# Altium PCB GSH_Bed_V1.0.PcbDoc
Units mil, origin at the board's own origin, x right, y up, seen from the top; angles counter-clockwise.
Board outline 3208.66 x 1476.38 mil, 2 copper layers (Top Layer, Bottom Layer); 65 components, 49 nets, 253 pads, 410 vias.
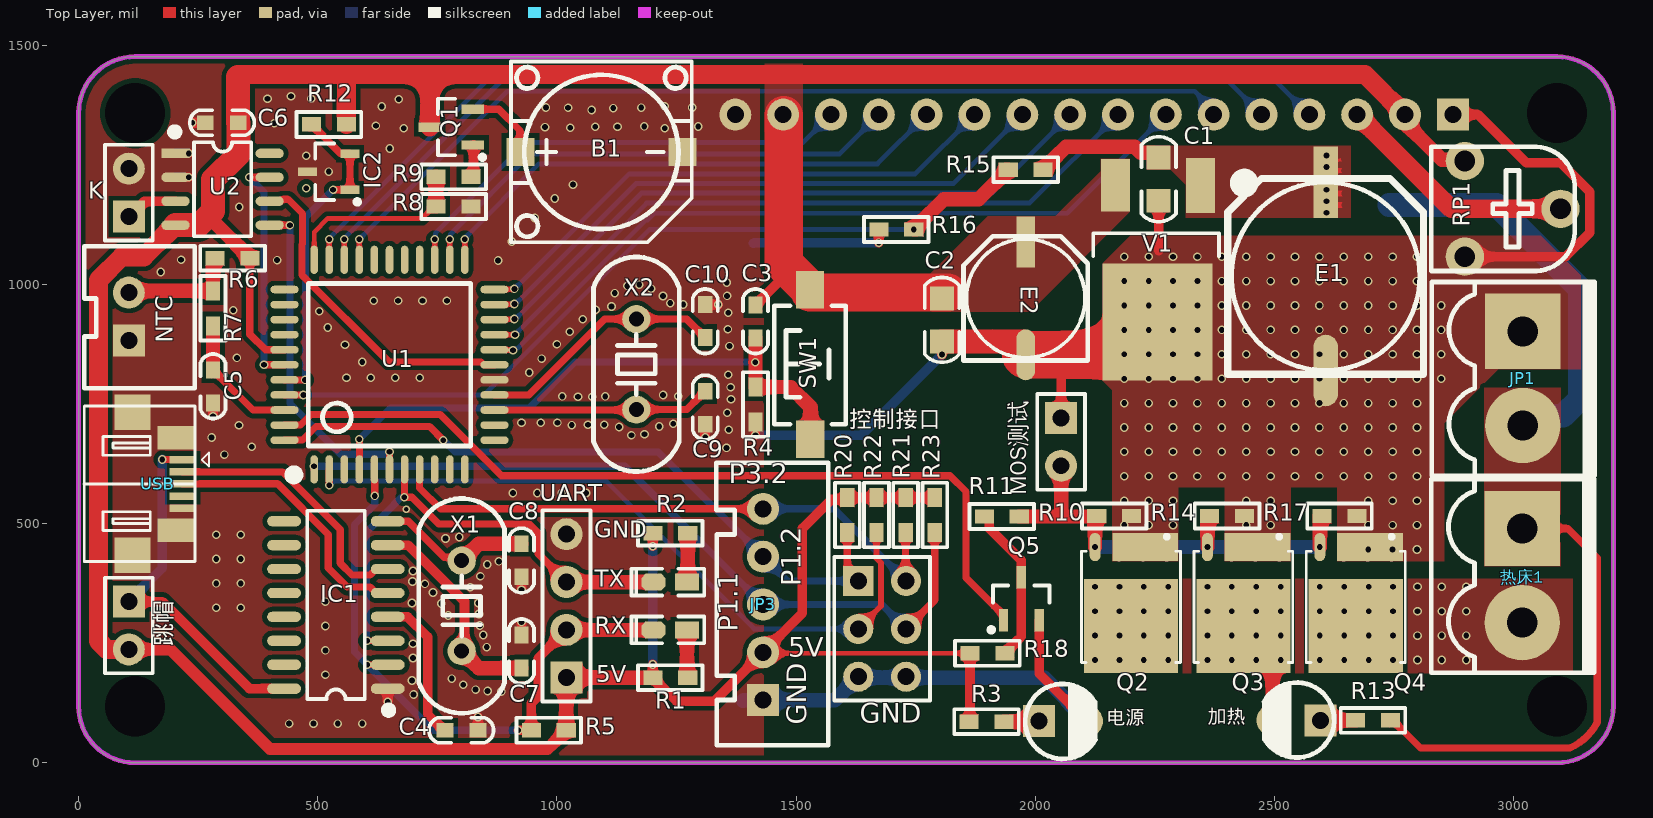
[diagram p0: Top Layer view]
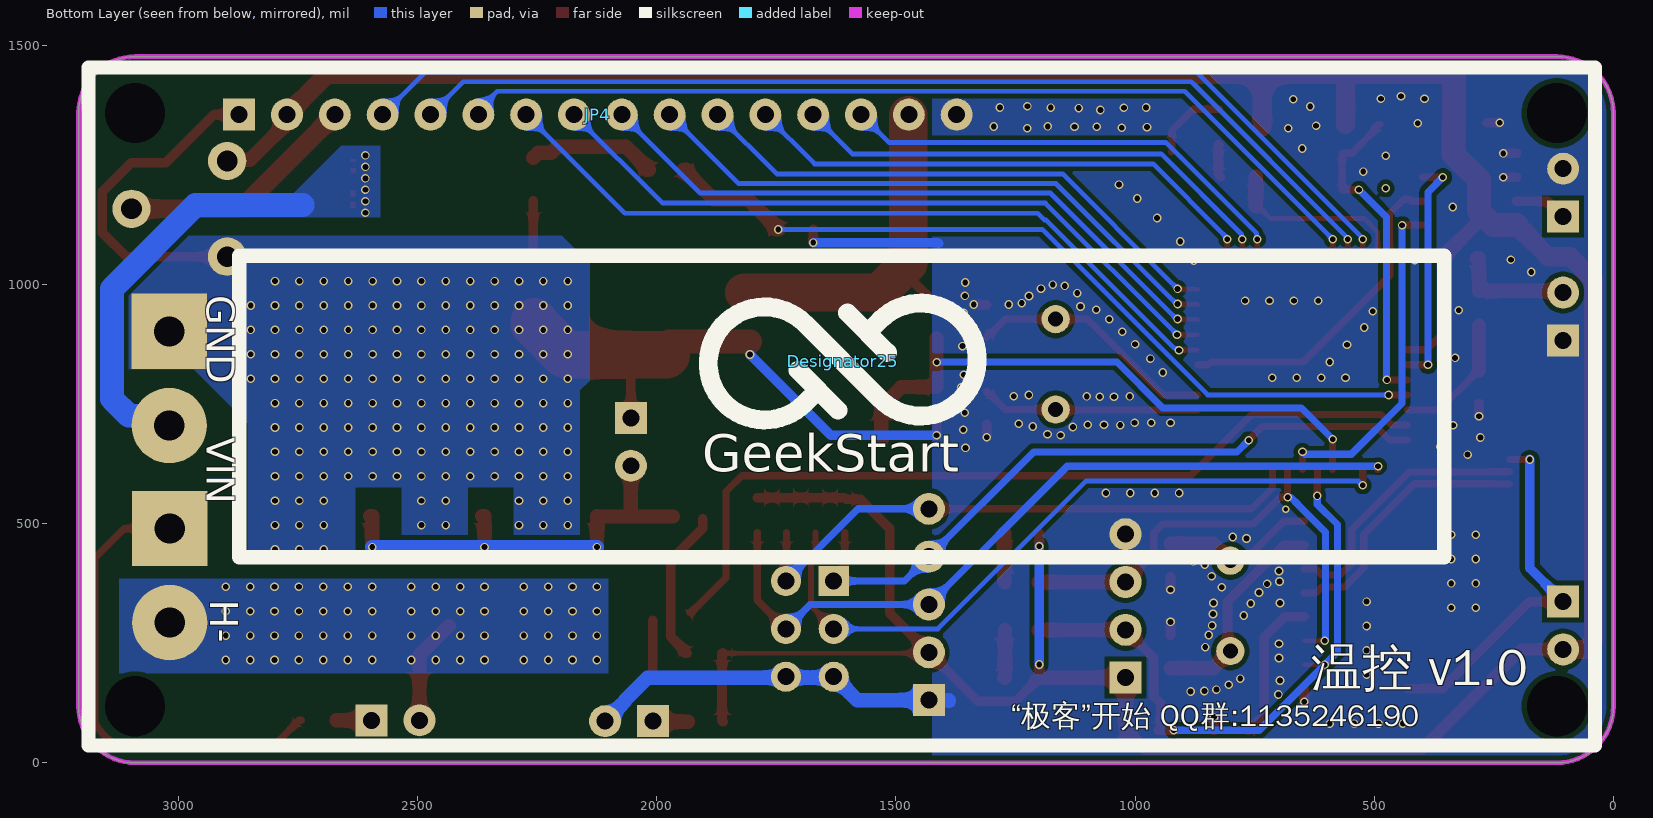
[diagram p1: Bottom Layer view, seen from below]

## Layer stack, top to bottom
Top Solder: solder mask 0.4, Solder Resist, Dk 3.5
Top Layer: signal copper 1.4
Dielectric 1: dielectric 12.6, FR-4, Dk 4.8
Bottom Layer: signal copper 1.4
Bottom Solder: solder mask 0.4, Solder Resist, Dk 3.5

## Board outline
0,118.11 0,1358 0,1358.27 cw(c118.11,1358.27) 118.11,1476.38 3090.55,1476.38 cw(c3090.55,1358.27) 3208.66,1358.27 3208.66,118.11 cw(c3090.55,118.11) 3090.55,0 118.11,0 cw(c118.11,118.11)

## Design rules (kind name [scope] priority, off if disabled: settings)
Clearance [All] p1: gap=10 ignorepadtopadclearanceinfootprint=TRUE except(0: Arc-Hole Track-Hole SMDPad-Via SMDPad-Hole THPad-Via THPad-Hole Via-Via Via-Hole Fill-Hole Poly-Hole Region-Hole Text-Hole)
ComponentClearance [All] p1: gap=0 collisioncheckmode=3 verticalgap=0 showdistances=FALSE donotcheckwithout3dbody=TRUE
DiffPairsRouting [All] p1: maxlimit=10 minlimit=10 mostfreqgap=10 toplayer_minwidth=15 toplayer_maxwidth=15 toplayer_prefwidth=15 bottomlayer_minwidth=15 bottomlayer_maxwidth=15 bottomlayer_prefwidth=15 maxuncoupledlength=500
PlaneConnect [All] p1: planeconnectstyle=Relief reliefexpansion=20 reliefentries=4 reliefconductorwidth=30 reliefairgap=30
PolygonConnect C-5V [InNet('C-5V') vs InNet('C-5V')] p1: thpad.connectstyle=Direct thpad.reliefconductorwidth=10 thpad.reliefentries=4 thpad.polygonreliefangle="90 Angle" thpad.airgapwidth=10 smdpad.connectstyle=Direct smdpad.reliefconductorwidth=10 smdpad.reliefentries=4 smdpad.polygonreliefangle="90 Angle" smdpad.airgapwidth=10 via.connectstyle=Relief via.reliefconductorwidth=10 via.reliefentries=4 via.polygonreliefangle="90 Angle" via.airgapwidth=10
PolygonConnect H- [InNet('H-') vs InNet('H-')] p2: connectstyle=Direct reliefconductorwidth=10 reliefentries=4 polygonreliefangle="90 Angle" airgapwidth=10
PolygonConnect VIN [InNet('VIN') vs InNet('VIN')] p3: connectstyle=Direct reliefconductorwidth=10 reliefentries=4 polygonreliefangle="90 Angle" airgapwidth=10
PolygonConnect GND [InNet('GND') vs InNet('GND')] p4: connectstyle=Direct reliefconductorwidth=10 reliefentries=4 polygonreliefangle="90 Angle" airgapwidth=10
PolygonConnect 1 [InNet('NetIC1_2') vs InNet('NetIC1_2')] p5: connectstyle=Direct reliefconductorwidth=10 reliefentries=4 polygonreliefangle="90 Angle" airgapwidth=10
PolygonConnect [All] p6: connectstyle=Relief reliefconductorwidth=30 reliefentries=4 polygonreliefangle="45 Angle" airgapwidth=50
RoutingVias [All] p1: holewidth=10 width=15 viastyle="Through Hole" minholewidth=8 minwidth=12 maxholewidth=28 maxwidth=50
ShortCircuit [All] p1: allowed=TRUE
SolderMaskExpansion [All] p1: expansion=4 istentingtop=FALSE
Width [All] p1: maxlimit=100 minlimit=6 preferedwidth=10
26 further rules are at their usual default settings.

## Classes and differential pairs
differential pair D: +D_P -D_N

## Components (designator, comment, footprint, x,y, rotation, side; value= is the part's Value field where it differs from the comment)
B1 "DC5V" Buzzer 1093,1277 r0 top
C1 "104" "C 0805" 2258,1220 r90 top
C2 "104" "C 0805" 1805,926 r90 top
C3 "10uf" "C 0603" 1415,923 r90 top
C4 "104" "C 0603" 800,68 r180 top
C5 "104" "C 0603" 281,787 r90 top
C6 "104" "C 0603" 300,1338 r0 top value=100pF
C7 "22PF" "C 0603" 925.89,233 r90 top
C8 "22PF" "C 0603" 925.89,423 r270 top
C9 "22pf" "C 0603" 1310,743 r90 top
C10 "22pf" "C 0603" 1310,923 r270 top
Designator25 "Comment" LOGO 1611.14,838.95 r180 bottom
E1 "680uF/10V" "CM F(10*10.2)" 2607,1017 r90 top
E2 "220uF/10V" "CM D(6.3*5.4)" 1980,971 r90 top
IC1 "CH340G" SOP16_N 538,330 r180 top
IC2 "TL431" SOT23-3L 522.56,1235.58 r90 top
JP1 "HDR-1X2" KF2EDGK5.0-2P 3019,901.85 r270 top
JP3 "HDR-1X5" XH2.54-5P 1431,131 r90 top
JP4 "HDR-1X16" LCD-1602 3188,35.11 r180 bottom locked
K "K电偶" HDR-1x2 105,1142 r90 top (schematic designator J1)
MOS测试 "Comment" HDR-1X2 2054,721 r270 top
NTC "HDR-1X2" XH2.54-2P 105,883 r90 top
Q1 "S8050" SOT23-3N 779,1329 r90 top
Q2 "TPCA8028H" MOS 2200,326 r180 top
Q3 "TPCA8028H" MOS 2435,326 r180 top
Q4 "TPCA8028H" MOS 2670,326 r180 top
Q5 "S8050" SOT23-3N 1971,343 r0 top
R1 "2K" "R 0603-HP" 1237,178 r180 top
R2 "2K" "R 0603-HP" 1237,480 r180 top
R3 "2K" "R 0603-HP" 1898,86 r180 top
R4 "10K" "R 0603-HP" 1415,749 r90 top
R5 "10K" "R 0603-HP" 983,68 r0 top
R6 "10K" "R 0603-HP" 322,1055 r0 top
R7 "100" "R 0603-HP" 281,950 r90 top
R8 "10K" "R 0603-HP" 784,1163 r180 top
R9 "1K" "R 0603-HP" 784,1225 r0 top
R10 "100K" "R 0603-HP" 2165,516 r0 top
R11 "100" "R 0603-HP" 1930,515 r0 top
R12 "100" "R 0603-HP" 523.27,1334.58 r0 top
R13 "10K" "R 0603-HP" 2706,88.89 r0 top
R14 "100K" "R 0603-HP" 2401,516 r0 top
R15 "1M" "R 0603-HP" 1980,1240 r0 top
R16 "200K" "R 0603-HP" 1709.5,1115 r0 top
R17 "100K" "R 0603-HP" 2636,516 r0 top
R18 "10K" "R 0603-HP" 1900,229 r180 top
R20 "10K" "R 0603-HP" 1607,518 r90 top
R21 "10K" "R 0603-HP" 1729,518 r90 top
R22 "10K" "R 0603-HP" 1668,518 r270 top
R23 "10K" "R 0603-HP" 1790,518 r270 top
RP1 "10K" RM065 3098,1158.11 r270 top
RX "蓝色" "LED 0603B" 1237,278 r180 top (schematic designator LED1)
SW1 "3x6x5" "TSW SMD-3*6*2.5" 1529,834 r90 top
TX "绿色" "LED 0603G" 1237,378 r180 top (schematic designator LED2)
U1 "STC12C5A60S2" "LQFP44 10X10_L" 650,832 r0 top
U2 "MAX6675" SOP8_L 301,1199 r0 top
UART "HDR-1X4" HDR-1X4 1020,178 r90 top (schematic designator JP2)
USB "USB-5P" USB-MICRO_A 125,583 r270 top
V1 "LM2940-5.0V" TO252 2256,1087 r180 top
X1 "12MHz" "XTAL-49S DIP" 800.89,328 r90 top
X2 "11.0592MHz" "XTAL-49S DIP" 1166,833 r270 top
加热 "红色" "LED 3MM-R" 2546,88.89 r180 top (schematic designator LED4)
控制接口 "Header3X2" HDR-3X2 1630,380 r270 top (schematic designator JP5)
热床1 "HDR-1X2" KF2EDGK5.0-2P 3018,489.96 r270 top (schematic designator 热床)
电源 "红色" "LED 3MM-R" 2058,87 r0 top (schematic designator LED3)
跳帽 "HDR-1X2" HDR-1X2 105,337 r270 top (schematic designator 跳线)

## Footprints (in the part's own frame and the unit in brackets; to place one, negate y for a bottom-side part, rotate by r counter-clockwise, add the part's x,y. Pads: shape width x height; smd on the part's side, far side on the other; paste and mask are expansions set on the pad)
Buzzer [mm] "蜂鸣器"
  rect 1.5x1.5 smd: 1(-4.3,0) 2(4.3,0)
  silkscreen extent -4.8,-4.8 4.8,4.8
"C 0603" [mil] "无极性贴片电容"
  rect 35x30 smd: 1(-35,0) 2(34,0)
  silkscreen extent -67,-26 67,26, body extent -31,-16 31,16, height 32
"C 0805" [mil] "无极性贴片电容"
  rect 50x50 smd: 1(-45,0) 2(45,0)
  silkscreen extent -89,-36 89,36, body extent -39,-24 39,24, height 20
"CM D(6.3*5.4)" [mm] "贴片电解电容，直径6.3mm，高5.4mm"
  rect 2.7x1 smd: 1(3,0)
  oval 2.7x1 smd: 2(-3,0)
  silkscreen extent -3.3,-3.3 3.3,3.3, body extent -3.5,-3.3 3.5,3.3, height 5.4
"CM F(10*10.2)" [mm] "贴片电解电容，直径10mm，高10.2mm"
  rect 3.8x1.3 smd: 1(5,0)
  oval 3.8x1.3 smd: 2(-5,0)
  silkscreen extent -5.2,-5.2 5.2,5.2, body extent -5.8,-5.15 5.8,5.15, height 10.2
HDR-1x2 [mm] "排针，2脚"
  rect 1.7x1.7 hole 0.9: 1(0,0)
  round 1.7 hole 0.9: 2(2.54,0)
  silkscreen extent -1.27,-1.27 3.81,1.27, body extent -1.27,-1.27 3.81,1.27, height 8.5
HDR-1X2 [mm] "排针，2脚"
  rect 1.7x1.7 hole 0.9: 1(0,0)
  round 1.7 hole 0.9: 2(2.54,0)
  silkscreen extent -1.27,-1.27 3.81,1.27, body extent -1.27,-1.27 3.81,1.27, height 8.5
HDR-1X4 [mm] "排针，4脚"
  rect 1.7x1.7 hole 0.9: 1(0,0)
  round 1.7 hole 0.9: 2(2.54,0) 3(5.08,0) 4(7.62,0)
  silkscreen extent -1.27,-1.27 8.89,1.27, body extent -1.27,-1.27 8.89,1.27, height 8.5
HDR-3X2 [mm] "双排排针，3x2脚"
  rect 1.6x1.6 hole 0.9: 1(0,0)
  round 1.6 hole 0.9: 2(0,2.54) 3(2.54,0) 4(2.54,2.54) 5(5.08,0) 6(5.08,2.54)
  silkscreen extent -1.27,-1.27 6.35,3.81, body extent -1.27,-1.27 6.35,3.81, height 8.5
KF2EDGK5.0-2P [mm] "直列插拔式端子"
  rect 4x4 hole 1.6: 1(0,0)
  round 4 hole 1.6: 2(5,0)
  silkscreen extent -2.62,-4.83 7.67,3.81, body extent -2.54,-4.75 7.54,3.75, height 11.25
LCD-1602 [mm]
  rect 1.7x1.7 hole 0.9: 1(8.001,33.528)
  round 1.7 hole 0.9: 2(10.541,33.528) 3(13.081,33.528) 4(15.621,33.528) 5(18.161,33.528) 6(20.701,33.528) 7(23.241,33.528) 8(25.781,33.528) 9(28.321,33.528) 10(30.861,33.528) 11(33.401,33.528) 12(35.941,33.528) 13(38.481,33.528) 14(41.021,33.528) 15(43.561,33.528) 16(46.101,33.528)
  silkscreen extent 0,0.03 80,36.03, body extent -0.15,0.42 79.85,35.42, height 9
"LED 3MM-R" [mm] "红色3mm直插LED"
  rect 1.7x1.7 hole 0.9: 1(-1.27,0)
  round 1.7 hole 0.9: 2(1.27,0)
  silkscreen extent -2.01,-2 1.72,1.98, body extent -1.95,-1.95 1.64,1.95, height 5.55
"LED 0603B" [mil] "蓝色0603LED"
  rect 50x35 smd: 1(-35,0.26)
  oct 50x35 smd: 2(35,0.26)
  silkscreen extent -71,-28 81,28, body extent -31,-16 32,16, height 24
"LED 0603G" [mil] "绿色0603LED"
  rect 50x35 smd: 1(-35,0.26)
  oct 50x35 smd: 2(35,0.26)
  silkscreen extent -71,-28 81,28, body extent -31,-16 32,16, height 24
LOGO [mil]
  silkscreen extent -281,-122 281,122
"LQFP44 10X10_L" [mm] "44脚，体宽10x10mm，脚距0.8mm"
  oval 0.4x1.5 smd: 1(-4,-5.551) 2(-3.2,-5.551) 3(-2.4,-5.551) 4(-1.6,-5.551) 5(-0.8,-5.551) 6(0,-5.551) 7(0.8,-5.551) 8(1.6,-5.551) 9(2.4,-5.551) 10(3.2,-5.551) 11(4,-5.551) 23(4,5.578) 24(3.2,5.578) 25(2.4,5.578) 26(1.6,5.578) 27(0.8,5.578) 28(0,5.578) 29(-0.8,5.578) 30(-1.6,5.578) 31(-2.4,5.578) 32(-3.2,5.578) 33(-4,5.578)
  oval 1.5x0.4 smd: 12(5.575,-4) 13(5.575,-3.2) 14(5.575,-2.4) 15(5.575,-1.6) 16(5.575,-0.8) 17(5.575,0) 18(5.575,0.8) 19(5.575,1.6) 20(5.575,2.4) 21(5.575,3.2) 22(5.575,4) 34(-5.575,4) 35(-5.575,3.2) 36(-5.575,2.4) 37(-5.575,1.6) 38(-5.575,0.8) 39(-5.575,0) 40(-5.575,-0.8) 41(-5.575,-1.6) 42(-5.575,-2.4) 43(-5.575,-3.2) 44(-5.575,-4)
  silkscreen extent -5.33,-6.09 4.32,4.32, body extent -6,-6 6,6, height 1.45
MOS [mil]
  oval 22.6x40 smd: 1(-75,-114.88) 2(-25,-114.88) 3(25,-114.88) 5(75,114.88) 6(25,114.88) 7(-25,114.88) 8(-75,114.88)
  oval 22.6x59.06 smd: 4(75,-125)
  rect 196.85x196.85 smd: 9(0,40)
  rect 137.8x59.06 smd: ""(-30,-125)
  silkscreen extent -103,-151 103,116
"R 0603-HP" [mil] "1/10W高精度贴片电阻"
  rect 40x30 smd: 1(-36.5,0) 2(36.5,0)
  silkscreen extent -68,-26 68,26, body extent -31,-16 32,16, height 16
RM065 [mil] "蓝白可调电位器"
  round 80 hole 43.31: 1(-100,-200) 2(0,0) 3(100,-200)
  silkscreen extent -130,-270 130,30, body extent -128,-269 128,30, height 299
SOP8_L [mm] "5*6*1.8mm（长宽高）"
  rect 1.5x0.5 smd: 1(-2.5,1.905)
  oval 1.5x0.5 smd: 2(-2.5,0.635) 3(-2.5,-0.635) 4(-2.5,-1.905) 5(2.5,-1.905) 6(2.5,-0.635) 7(2.5,0.635) 8(2.5,1.905)
  silkscreen extent -2.69,-2.5 1.52,3.2, body extent -3,-2.5 3,2.5, height 1.9
SOP16_N [mm] "10.3*6.2*1.8mm（长宽高）"
  oval 1.8x0.55 smd: 1(-2.75,4.445) 2(-2.75,3.175) 3(-2.75,1.905) 4(-2.75,0.635) 5(-2.75,-0.635) 6(-2.75,-1.905) 7(-2.75,-3.175) 8(-2.75,-4.445) 9(2.75,-4.445) 10(2.75,-3.175) 11(2.75,-1.905) 12(2.75,-0.635) 13(2.75,0.635) 14(2.75,1.905) 15(2.75,3.175) 16(2.75,4.445)
  silkscreen extent -2.95,-5 1.52,5.74, body extent -3,-5 3,5, height 1.9
SOT23-3L [mm] "3x1.3x1mm(长宽高)"
  rect 0.45x1 smd: 1(-0.95,-1.143) 2(0.95,-1.143) 3(0,1.125)
  silkscreen extent -1.72,-1.65 1.5,0.7, body extent -1.5,-1.2 1.5,1.2, height 1.05
SOT23-3N [mm] "3x1.3x1mm(长宽高)"
  rect 0.5x1.2 smd: 1(-0.95,-1.143) 2(0.95,-1.143) 3(0,1.143)
  silkscreen extent -1.72,-1.78 1.5,0.7, body extent -1.5,-1.2 1.5,1.2, height 1.05
TO252 [mil] "252晶体管"
  rect 60x115 smd: 1(-89.55,-119.77)
  rect 230x245 smd: 2(0,165.35)
  rect 60x110 smd: 3(88.45,-120.77)
  silkscreen extent -196,-140 135,28, body extent -127,-120 129,251, height 91
"TSW SMD-3*6*2.5" [mm] "3*6*2.5mm"
  rect 2x1.5 smd: 1(-3.996,-0.02) 2(3.937,0)
  silkscreen extent -3.21,-1.9 3.09,1.9, body extent -4,-1.88 4,1.62, height 2.59
USB-MICRO_A [mm] "micro型USB ，5.9*8.2*2.5mm"
  rect 0.4x1.4 smd: 1(-1.296,2.355) 2(-0.648,2.355) 3(0,2.355) 4(0.648,2.355) 5(1.295,2.355)
  rect 1.9x1.9 smd: 5(-3.81,-0.312) 5(3.784,-0.312)
  rect 1.25x2 smd: 5(-2.464,2.025) 5(2.464,2.025)
  silkscreen extent -4.14,-2.89 4.11,3.75, body extent -3.98,-2.77 3.98,2.65, height 2.69
XH2.54-2P [mm] "接插件，2P"
  rect 1.7x1.7 hole 0.9: 1(0,0)
  round 1.7 hole 0.9: 2(2.54,0)
  silkscreen extent -2.54,-3.51 5.01,2.37, body extent -2.5,-3.3 5.04,2.4, height 7.05
XH2.54-5P [mm] "接插件，5P"
  rect 1.7x1.7 hole 0.9: 1(0,0)
  round 1.7 hole 0.9: 2(2.54,0) 3(5.08,0) 4(7.62,0) 5(10.16,0)
  silkscreen extent -2.4,-3.45 12.6,2.49, body extent -2.5,-3.3 12.66,2.4, height 7.03
"XTAL-49S DIP" [mm]
  round 1.5 hole 0.8: 1(-2.4,0) 2(2.4,0)
  silkscreen extent -5.7,-2.28 5.7,2.28, body extent -5.68,-2.35 5.68,2.3, height 3.5

## Part data
B1: library part BEEP, "蜂鸣器", BOM名称=蜂鸣器, 学习资源=www.ooocke.com, 版权归属=源创客
C1 C2 C3 C4 C5 C7 C8 C9 C10: library part C, "无极性贴片电容", BOM名称=无极性贴片电容, 学习资源=www.ooocke.com, 版权归属=源创客
C6: library part Cap, "Capacitor", LatestRevisionDate=17-Jul-2002, LatestRevisionNote="Re-released for DXP Platform.", PackageReference=RAD-0.3, Published=8-Jun-2000, Publisher="Altium Limited"
E1 E2: library part C-CM, "贴片电解电容", BOM名称=贴片电解电容, 学习资源=www.ooocke.com, 版权归属=源创客
IC1: "串口转USB", BOM名称=串口转USB, 学习资源=www.ooocke.com, 版权归属=源创客
IC2: library part TL431-ID, "可调基准稳压芯片", BOM名称=可调基准稳压芯片, 学习资源=www.ooocke.com, 版权归属=源创客
JP1 MOS测试 NTC 热床1 跳帽: library part "Header 2", "2P接插件"
  JP1 NTC 热床1 跳帽: BOM名称=2P接插件, 学习资源=www.ooocke.com, 版权归属=源创客
JP3: library part "Header 5", "5P接插件", BOM名称=5P接插件, 学习资源=www.ooocke.com, 版权归属=源创客
JP4: library part "Header 16", "16P接插件", BOM名称=16P接插件, 学习资源=www.ooocke.com, 版权归属=源创客
K: library part CON2, "Connector"
Q1 Q5: library part 8050-SMD, "高频放大-NPN型", BOM名称=高频放大-NPN型, 学习资源=www.ooocke.com, 属性="40V 1.5A 1W 100MHZ", 版权归属=源创客
Q2 Q3 Q4: library part AON7544, "n-mos"
R1 R2 R3 R4 R5 R6 R7 R8 R9 R10 R11 R12 R13 R14 R15 R16 R17 R18 R20 R21 R22 R23: library part R, "贴片电阻", BOM名称=贴片电阻, 学习资源=www.ooocke.com, 版权归属=源创客
RP1: library part RP-ID, "插件单联电位器", BOM名称=插件电位器, 学习资源=www.ooocke.com, 版权归属=源创客
RX TX: library part LED-SMD, "贴片LED", BOM名称=贴片LED, 学习资源=www.ooocke.com, 版权归属=源创客
SW1: library part "TSW 3x6", "3x6轻触开关", BOM名称=3x6轻触开关, 学习资源=www.ooocke.com, 版权归属=源创客
U1: library part U?
U2: "K电偶转换"
UART: library part "Header 4", "4P接插件", BOM名称=4P接插件, 学习资源=www.ooocke.com, 版权归属=源创客
USB: "微型USB母座", BOM名称=微型USB母座, 学习资源=www.ooocke.com, 版权归属=源创客
V1: library part LM2940, "5V稳压芯片", BOM名称=5V稳压芯片, 学习资源=www.ooocke.com, 版权归属=源创客
X1 X2: library part XTAL-2, "2脚晶振", BOM名称=2脚晶振, 学习资源=www.ooocke.com, 版权归属=源创客
加热 电源: library part LED-SMD, "3mm-LED", BOM名称=贴片LED, 学习资源=www.ooocke.com, 版权归属=源创客
控制接口: library part "Header 3X2", "3*2P接插件", BOM名称=3*2P接插件, 学习资源=www.ooocke.com, 版权归属=源创客

## Free pads (board coordinates)
  round 118.11 hole 125.98 paste+0 mask+4: 20(118.11,118.11) 20(118.11,1358.27) 20(3090.55,118.11) 20(3090.55,1358.27)

## Via types
v1: diameter 18, hole 12, Top Layer to Bottom Layer, tented both sides, 409 vias
v2: diameter 15, hole 10, Top Layer to Bottom Layer, tented both sides, 1 vias

## Nets (pads, with @x,y where several pads share a name; then routed paths per layer and width w, separated by ;. In a path a pad name is that pad's centre, name@x,y a point inside that pad or via, vN(x,y) a via of type N, cw(c..) or ccw(c..) an arc to the next point about the centre after c; other vN are vias at no path point)
5V: IC1.16 USB.1 跳帽.1 | length 768.5
  Top Layer w15: v1(174.9,634.01) USB.1@217.3,634.01
  Top Layer w20: 跳帽.1 175,337 357,155 IC1.16
  Bottom Layer w20: 跳帽.1 174.9,406.9 v1(174.9,634.01)
C-5V: C2.2 C3.2 C6.2 E2.1 JP3.2 JP4.2 JP4.15 Q1.3 R1.2 R2.2 R3.2 R5.2 R6.2 R12.2 R18.2 R20.2 R21.2 R22.1 R23.1 RP1.1 SW1.2 U1.38 U2.4 UART.1 V1.3 跳帽.2 | length 8518.2
  Top Layer w10: JP3.2 1433,229 R18.2
  Top Layer w15: R6.2 358,1054.5 358,896 390.5,863.5 U1.38
  Top Layer w20: v1(1200.5,205.5) R1.2 1205.5,178 1210.5,173 1210.5,168 1249.5,129 1329,129 JP3.2 1513,313 1513,490 1573.72,550.72 1603.22,550.72 R20.2 R22.1 R21.2 R23.1 ; v1(1200.5,452.5) R2.2 ; C3.2 1415,959.5 1420,964.5 1422.5,964.5 1474,1016 1474,1044 ; R3.2 1863.5,88 R18.2 R18.2@1862,230.5
  Top Layer w25: 跳帽.2 192,237 400,29 980.5,29 1012,60.5 1012,65.5 1014.5,68 R5.2
  Top Layer w30: 281,1153.29 281,1132.5 353.5,1060 353.5,1055 R6.2 ; R5.2 1019.5,177.5 UART.1 R1.2 ; JP4.15 JP4.15@1474,1354.11 ; JP4.2@2780.07,1330.93 2850.29,1260.71 RP1.1@2898,1260.71
  Top Layer w39.37: 333.69,1433.69 339,1439 559,1439 ; R12.2 559.77,1438.23 559,1439 ; Q1.3 734,1439 ; JP4.2 2689.11,1439 734,1439 ; 559,1439 734,1439
  Top Layer w40: 跳帽.2 59,237 41.54,254.46 41.54,1009.29 90.15,1057.9 136.48,1057.9 U2.4
  Top Layer w50: U2.4 251.71,1124 281,1153.29 281,1219 334,1272 C6.2 333.69,1338.31 333.69,1433.69
  Top Layer w80: JP4.15@1474,1354.11 1474,1044 SW1.2 ; SW1.2@1529,983.05 C2.2@1817,983.05
  Bottom Layer w20: v1(1200.5,205.5) v1(1200.5,452.5)
C-RXD: IC1.3 TX.2 U1.7 UART.3 | length 1058.3
  Top Layer w10: v1(603.44,255) IC1.3 ; UART.3 UART.3@1020.26,377.74
  Top Layer w15: U1.7 681.5,555.5 v1(681,555) 697,555 753,499 942.14,499 961,480.14 961,437 UART.3
  Top Layer w30: UART.3@1020.26,377.74 TX.2
  Bottom Layer w15: v1(603.44,255) 603.44,255.81 601.94,257.31 601.94,481.94 660,540 660,540.36 674.07,554.43 679.61,554.43 680.19,555 v1(681,555)
C-TXD: IC1.2 R5.1 RX.2 U1.5 UART.2 | length 1307.2
  Top Layer w10: v1(603.44,205) IC1.2
  Top Layer w15: U1.5 618.5,591.61 619,591.11 v1(619,558) ; UART.2 UART.2@1020.26,277.74
  Top Layer w20: v1(919,68) R5.1 ; R5.1@951.5,68 R5.1 ; UART.2 960.89,218.89 960.89,138.89 946.5,124.5 R5.1
  Top Layer w30: UART.2@1020.26,277.74 RX.2
  Bottom Layer w15: v1(619,558) 619,539.96 576.94,497.9 576.94,232.01 603.44,205.51 v1(603.44,205) 740.44,68 v1(919,68)
CS: U1.17 U2.6 | length 692
  Top Layer w15: U2.6 420.38,1174 424.22,1177.84 438.69,1177.84 468.33,1148.21 468.33,1084.94 467.15,1083.76 467.15,1019.43 648.37,838.21 837.22,838.21 837.31,838.12 841.49,838.12 847.62,832 U1.17
D_N: IC1.6 USB.2 | length 564.4
  Top Layer w15: USB.2 217.85,608.38 252.53,608.38 252.65,608.26 426.5,608.26 547,487.75 547,417.36 571.86,392.5 609.55,392.5 622.05,405 IC1.6
D_P: IC1.5 USB.3 | length 564.4
  Top Layer w15: USB.3 217.85,583.13 252.53,583.13 252.65,583.26 416.14,583.26 522,477.4 522,407 561.5,367.5 609.55,367.5 622.05,355 IC1.5
GND: B1.2 C1.1 C2.1 C4.1 C5.1 C6.1 C7.2 C8.2 C9.1 C10.1 E1.2 E2.2 IC1.1 IC2.3 JP1.1 JP3.1 JP4.1 JP4.16 K.2 MOS测试.1 NTC.1 Q2. Q2.1 Q2.2 Q2.3 Q3. Q3.1 Q3.2 Q3.3 Q4. Q4.1 Q4.2 Q4.3 Q5.2 R4.1 R8.1 R10.2 R14.2 R16.1 R17.2 RP1.3 U1.16 U2.1 U2.2 UART.4 USB.5 V1.2 控制接口.5 控制接口.6 电源.2 | length 3576.3
  Top Layer w20: U2.2 v1(230.07,1224) ; U2.1 v1(230.07,1274) ; v1(237.5,1338) C6.1 ; v1(281,724.5) C5.1 ; v1(646.27,127.5) IC1.1 ; C4.1 v1(835,95.5) ; C7.2 v1(925.89,294.5) ; v1(925.89,361.5) C8.2 ; v1(1310,680.5) C9.1 ; C10.1 v1(1337.5,958) ; v1(1415,685) R4.1 ; v1(1673,1087.5) R16.1 ; v1(1805,853.5) C2.1 ; Q5.2 2008.4,186.6 电源.2 ; 2053,852.89 2054,851.89 MOS测试.1 ; 2258,1071 C1.1 ; JP4.1 2925.89,1355.11 3027,1254 3099,1254 3159,1194 3159,1108 3109.11,1058.11 RP1.3
  Top Layer w50: C2.1 1974.69,881 1980,875.69 E2.2
  Top Layer w100: E2.2 2053,852.89 2191,852.89 2256,917.89 V1.2
  Bottom Layer w20: 1411,1086 1412.5,1087.5 v1(1673,1087.5) ; v1(1415,685) 1636.5,685 v1(1805,853.5)
  Bottom Layer w30: 1389,130 1390,131 JP3.1 1581,131 控制接口.5@1628,178 ; 控制接口.5 控制接口.5@1628,178 ; 电源.2 2066.46,128.54 2066.46,130.82 2019.28,178 控制接口.5@1628,178
  other v1: 440,82 491,82 542,82 593,82 700.34,142.8 884,149 855,150 830,153 804,163 697,172 780,176 516,184 699,219 516,235 853.53,241.9 699,249 846.14,267.1 516,286 839,287 773,308 837,311 288,324 339,324 758,333 697,334 836,334 516,337 741,356 819,367 724,374 288,375 339,375 698,379 840,390 699,401 854.2,414.58 878.73,420.96 288,426 339,426 2696,446 2747,446 2798,446 767,469 796,472 288,477 339,477 2186,497 2237,497 2288,497 2441,497 2492,497 2696,497 2747,497 2798,497 2186,548 2237,548 2288,548 2441,548 2492,548 2696,548 2747,548 2798,548 908,564 959,564 1010,564 1061,564 2186,599 2237,599 2288,599 2339,599 2390,599 2441,599 2492,599 2543,599 2594,599 2645,599 2696,599 2747,599 2798,599 304.81,644.35 2186,650 2237,650 2288,650 2339,650 2390,650 2441,650 2492,650 2543,650 2594,650 2645,650 2696,650 2747,650 2798,650 1354.51,658.22 362.21,660.54 278,680 1155.72,684.55 1183,687 1359,696 2186,701 2237,701 2288,701 2339,701 2390,701 2441,701 2492,701 2543,701 2594,701 2645,701 2696,701 2747,701 2798,701 1130,702 1214,703 335.35,705.44 1031,706 1064.87,706.93 1099.08,706.93 1243.02,709.07 926,711 966,711 1001,711 1356.31,731.63 2186,752 2237,752 2288,752 2339,752 2390,752 2441,752 2492,752 2543,752 2594,752 2645,752 2696,752 2747,752 2798,752 1364,760 1044,765 1074,765 1011,766 1101,766 1253.81,766.45 1222,769 1363,785 2186,803 2237,803 2288,803 2339,803 2390,803 2441,803 2492,803 2543,803 2594,803 2645,803 2696,803 2747,803 2798,803 2849,803 560,805 611,805 662,805 713,805 1358,811 942,816 593,838 968,845 330.93,846.37 2186,854 2237,854 2288,854 2339,854 2390,854 2441,854 2492,854 2543,854 2594,854 2645,854 2696,854 2747,854 2798,854 2849,854 1360.81,871.15 556.94,874.06 1000,875 1027,901 2186,905 2237,905 2288,905 2339,905 2390,905 2441,905 2492,905 2543,905 2594,905 2645,905 2696,905 2747,905 2798,905 2849,905 1357.51,906.54 520.88,910.12 1054,927 1358,941 503,944 323.57,946.09 1081,947 1114,954 2186,956 2237,956 2288,956 2339,956 2390,956 2441,956 2492,956 2543,956 2594,956 2645,956 2696,956 2747,956 2798,956 2849,956 1264,958 1237,961 617,966 668,966 719,966 770,966 1221.87,975.92 1355.71,976.11 1121,982 1196.66,991.41 1147,997 1172.18,999.69 1355,1004 2186,1007 2237,1007 2288,1007 2339,1007 2390,1007 2441,1007 2492,1007 2543,1007 2594,1007 2645,1007 2696,1007 2747,1007 2798,1007 172,1026 877,1050 214.25,1051.56 415,1051 2186,1058 2237,1058 2288,1058 2339,1058 2390,1058 2441,1058 2492,1058 2543,1058 2594,1058 2645,1058 2696,1058 2747,1058 2798,1058 905.35,1089.71 954,1139 336,1162 995.28,1179.64 1033.6,1208.76 523,1236 476,1269 650.24,1284.23 679.51,1326.5 1225.66,1326.75 1027.99,1327.82 975,1329 1080.1,1329.86 1126.6,1329.86 1182.81,1330.37 1295.36,1330.21 621.55,1331.71 409,1337 1072.44,1364.61 1023.39,1369.21 1117.91,1368.7 977,1370 1176.16,1369.72 1282.59,1369.85 634,1372 1225.13,1372.51 669.08,1387.36 395,1388 486,1388 444.1,1393.66
  other v2: 685,530
H-: Q2.5 Q2.6 Q2.7 Q2.8 Q3.5 Q3.6 Q3.7 Q3.8 Q4.5 Q4.6 Q4.7 Q4.8 加热.2 热床1.2 | length 222.4
  Top Layer w30: 2435,286 2496,225 加热.2
  other v1: 2125,215 2176,215 2227,215 2278,215 2360,215 2411,215 2462,215 2513,215 2595,215 2646,215 2697,215 2748,215 2799,215 2850,215 2901,215 2125,266 2176,266 2227,266 2278,266 2360,266 2411,266 2462,266 2513,266 2595,266 2646,266 2697,266 2748,266 2799,266 2850,266 2901,266 2125,317 2176,317 2227,317 2278,317 2360,317 2411,317 2462,317 2513,317 2595,317 2646,317 2697,317 2748,317 2799,317 2850,317 2901,317 2125,368 2176,368 2227,368 2278,368 2360,368 2411,368 2462,368 2513,368 2595,368 2646,368 2697,368 2748,368 2799,368 2850,368 2901,368
MISO: U1.39 U2.7 | length 489.7
  Top Layer w15: v1(356.6,1224) U2.7@399,1224 ; v1(387.7,832) U1.39@430.1,832
  Bottom Layer w15: v1(356.6,1224) 387.7,1192.9 v1(387.7,832)
NetB1_1: B1.1 Q1.2 | length 162.7
  Top Layer w15: Q1.2 878.6,1366.4 923,1322 923,1277.71 B1.1
NetC4_2: C4.2 IC1.4 | length 312.5
  Top Layer w15: C4.2@763.5,68 C4.2
  Top Layer w20: IC1.4 688,305 730,263 730,101.5 C4.2@763.5,68
NetC7_1: C7.1 IC1.7 X1.1 | length 455.2
  Top Layer w20: IC1.7 689,455 806.83,337.17 806.83,239.46 X1.1
  Top Layer w30: X1.1 836.4,198 C7.1
NetC8_1: C8.1 IC1.8 X1.2 | length 328.5
  Top Layer w15: IC1.8 689,505 764.41,429.59 793.79,429.59 X1.2
  Top Layer w30: X1.2 836.4,458 C8.1
NetC9_2: C9.2 U1.14 X2.2 | length 458.3
  Top Layer w15: U1.14 1165,737.51 X2.2 1271.51,738.51 1300,767 1302.5,767 1310,774.5 C9.2
NetC10_2: C10.2 U1.15 X2.1 | length 523.6
  Top Layer w15: U1.15 941.01,769.01 1099.49,927.49 X2.1 1271.51,927.49 1300,899 1302.5,899 1310,891.5 C10.2
NetJ1_1: K.1 U2.3 | length 110.8
  Top Layer w20: K.1 137,1174 U2.3
NetJP4_3: JP4.3 RP1.2 | length 506.6
  Top Layer w39.37: JP4.3 2870,1158.11 RP1.2
NetLED1_1: R1.1 RX.1 | length 101.2
  Top Layer w30: RX.1 1272,178 R1.1
NetLED2_1: R2.1 TX.1 | length 102.9
  Top Layer w30: TX.1 1273.5,379.25 R2.1
NetLED3_1: R3.1 电源.1 | length 73.9
  Top Layer w30: R3.1 2007,86 电源.1
NetLED4_1: R13.1 加热.1 | length 73.5
  Top Layer w30: 加热.1 2664.5,88.89 R13.1
NetMOS测试_1: MOS测试.2 Q2.4 Q3.4 Q4.4 R10.1 R11.2 R14.1 R17.1 | length 936.4
  Top Layer w30: R11.2 2053,515 ; MOS测试.2 2054,516 2053,515 ; R10.1@2122.5,515 2053,515 ; v1(2125,451) R10.1@2125,516 ; v1(2360,451) 2360,516 R14.1 ; v1(2595,451) 2595,516 R17.1
  Bottom Layer w30: v1(2125,451) v1(2360,451) v1(2595,451)
NetNTC_2: NTC.2 R6.1 R7.2 | length 250.4
  Top Layer w30: NTC.2 108.5,986.5 R7.2 281,1055 R6.1
NetQ1_1: Q1.1 R9.2 | length 71.1
  Top Layer w20: R9.2 821,1225 826,1230 826,1291.44 825.84,1291.6 Q1.1
NetQ5_3: Q5.3 R11.1 R18.1 | length 326.2
  Top Layer w20: R11.1@1903.5,510 1903.5,490.5 1971,423 Q5.3 1971,263.5 1946.5,239 1946.5,234 1941.5,229 R18.1
P0.4: R8.2 R9.1 U1.33 | length 397.1
  Top Layer w10: U1.33 492.52,1109.52 521,1138 717.5,1138 732.5,1153 742.5,1163 R8.2
  Top Layer w30: R8.2 R9.1
P0.5: JP4.4 U1.32 | length 2274.9
  Top Layer w10: U1.32 v1(524.02,1094.43)
  Bottom Layer w10: v1(524.02,1094.43) 524.02,1096.59 531.51,1104.09 531.51,1104.37 871.15,1444 2484.11,1444 JP4.4
P0.6: JP4.5 U1.31 | length 2126.8
  Top Layer w10: U1.31 v1(555.51,1094.43)
  Bottom Layer w10: v1(555.51,1094.43) 555.51,1096.59 563.01,1104.09 563.01,1104.37 872.64,1414 882.64,1424 2404.11,1424 JP4.5
P0.7: JP4.6 U1.30 | length 1982.5
  Top Layer w10: U1.30 v1(587.01,1094.43)
  Bottom Layer w10: v1(587.01,1094.43) 896.58,1404 2333,1404 2373,1364 JP4.6
P1.0: IC2.1 IC2.2 R12.1 U1.40 | length 684.4
  Top Layer w15: U1.40 v1(473.56,800.5) ; R12.1 491.77,1334.58 499.27,1327.08 499.27,1322.08 547.01,1274.34 566.2,1274.34 IC2.2 IC2.1 567.38,1198 v1(532,1198)
  Bottom Layer w15: v1(473.56,800.5) 474.13,801.08 474.13,803.2 474.53,803.6 474.53,1140.53 v1(532,1198)
P1.1: R15.1 R16.2 U1.41 | length 1713.9
  Top Layer w15: U1.41 v1(470,769)
  Top Layer w30: v1(1746,1115) 1751,1115 1751,1120 1809,1178 1881.5,1178 1938.5,1235 1938.5,1240 R15.1
  Bottom Layer w10: v1(470,769) 848.53,769 1194.53,1115 v1(1746,1115)
P1.2: C5.2 R7.1 U1.42 | length 278.1
  Top Layer w15: C5.2 281,818.5 288.5,811 291,811 364.49,737.51 U1.42
  Top Layer w30: C5.2 R7.1
P1.3: Q5.1 U1.43 | length 1786.7
  Top Layer w15: U1.43 430.67,706.16 464.16,706.16 486,728 756,728 884,600 1822,600 1855,567 1855,387 1927.88,314.12 Q5.1@1931.26,314.12
P1.4: JP3.4 R20.1 U1.44 控制接口.1 | length 1456.1
  Top Layer w15: U1.44 430.67,674.66 468.02,674.66 496.36,703 733.94,703 v1(762.42,674.52) ; R20.1 1607,403 控制接口.1
  Bottom Layer w15: v1(762.42,674.52) 786.94,650 1212,650 JP3.4 1482,380 控制接口.1
P1.5: JP3.3 R23.2 U1.1 控制接口.4 | length 1611.9
  Top Layer w15: v1(492,620) 492,613.98 U1.1 ; 控制接口.4 1790,340 R23.2
  Bottom Layer w15: v1(492,620) 1142,620 JP3.3 1679,331 控制接口.4
P1.6: R22.2 U1.2 控制接口.3 | length 1496.3
  Top Layer w12: 控制接口.3 1677.5,327.5 1677.5,418.12 1668,427.62 R22.2
  Top Layer w15: v1(524,580) U1.2@524.01,613.46
  Bottom Layer w10: v1@525.03,580 534.03,589 1103.05,589 1412.05,280 控制接口.3
  Bottom Layer w12: v1(524,580) v1@525.03,580
P2.0: JP4.7 U1.18 | length 1608
  Top Layer w10: U1.18 869.95,863.01 907.64,863.01 v1(908.12,862.53)
  Bottom Layer w10: v1(908.12,862.53) 910.29,862.53 914.29,866.53 917.78,866.53 1186.25,1135 1189.74,1135 1203.74,1149 2066.89,1149 JP4.7
P2.1: JP4.8 U1.19 | length 1494.1
  Top Layer w10: U1.19 v1(912.3,894.99)
  Bottom Layer w10: v1(912.3,894.99) 1187.31,1170 1987.89,1170 JP4.8
P2.2: JP4.9 U1.20 | length 1381.1
  Top Layer w10: U1.20 870.08,927.1 910.47,927.1 v1(911.08,927.71)
  Bottom Layer w10: v1(911.08,927.71) 913.24,927.71 917.24,931.71 917.52,931.71 1176.81,1191 1908.89,1191 JP4.9
P2.3: JP4.10 U1.21 | length 1268
  Top Layer w10: U1.21 870.08,958.6 910.47,958.6 v1(911.08,959.21)
  Bottom Layer w10: v1(911.08,959.21) 913.24,959.21 917.24,963.21 917.52,963.21 1165.31,1211 1828.89,1211 JP4.10
P2.4: JP4.11 U1.22 | length 1155
  Top Layer w10: U1.22 870.08,990.09 910.47,990.09 v1(911.08,990.7)
  Bottom Layer w10: v1(911.08,990.7) 930.36,1009.99 1151.37,1231 1748.89,1231 JP4.11
P2.5: JP4.12 U1.23 | length 1117.9
  Top Layer w10: U1.23 v1(807.48,1094.43)
  Bottom Layer w10: v1(807.48,1094.43) 807.48,1096.59 811.48,1100.59 811.48,1101.14 962.34,1252 1669.89,1252 JP4.12
P2.6: JP4.13 U1.24 | length 1053.4
  Top Layer w10: U1.24 v1(775.98,1094.43)
  Bottom Layer w10: v1(775.98,1094.43) 777.51,1095.96 777.51,1105.45 945.07,1273 1590.89,1273 JP4.13
P2.7: JP4.14 U1.25 | length 985.8
  Top Layer w10: U1.25 v1(744.49,1094.43)
  Bottom Layer w10: v1(744.49,1094.43) 745.93,1095.86 745.93,1106.93 936,1297 1514.89,1297 JP4.14
P3.2: JP3.5 R21.1 U1.8 控制接口.2 | length 1238.5
  Top Layer w15: U1.8 712.99,574.5 756.49,531 JP3.5 ; R21.1 1729,381 控制接口.2
  Bottom Layer w15: JP3.5 1579,531 控制接口.2
RST: C3.1 R4.2 SW1.1 U1.4 | length 1260.8
  Top Layer w15: U1.4 v1(587,676.5)
  Top Layer w30: C3.1 1415,838.15 v1(1414.43,837.57) 1415,837 R4.2 1488.5,785.5 1530.52,743.48 1530.52,677.42 SW1.1
  Bottom Layer w15: v1(587,676.5) 587,677 652,742 942,742 1038,838 1411.88,838 1412.3,837.57 v1(1414.43,837.57)
SCLK: U1.6 U2.5 | length 706.4
  Top Layer w10: U2.5@399,1124 U2.5
  Top Layer w15: U2.5 v1(441.83,1124) ; U1.6 v1(650,650)
  Bottom Layer w15: v1(441.83,1124) 441.83,751.17 548,645 644.19,645 649.19,650 v1(650,650)
VIN: C1.2 E1.1 JP1.2 R13.2 R15.2 V1.1 热床1.1 | length 2096.6
  Top Layer w15: R13.2 2747.5,88.89 2755,81.39 2805.38,31.01 3114.71,31.01 3118.06,31.01 ccw(c3068.19,141.17) 3175,84.47 3175,428 3113.04,489.96 热床1.1
  Top Layer w30: R15.2 2021.5,1240 2021.5,1245 2064.27,1287.77 2207.91,1287.77 2220.68,1275 2248,1275 C1.2
  Bottom Layer w50: 2740,1166 2964,1166 3139,991 3139,761 3103.57,725.57 3066.57,725.57 JP1.2@3046,705
  other v1: 2609,1149.75 2609,1173.75 2609,1197.75 2609,1221.75 2609,1245.75 2609,1269.75
pads on no net: IC1.9 IC1.10 IC1.11 IC1.12 IC1.13 IC1.14 IC1.15 Q2.9 Q3.9 Q4.9 U1.3 U1.9 U1.10 U1.11 U1.12 U1.13 U1.26 U1.27 U1.28 U1.29 U1.34 U1.35 U1.36 U1.37 U2.8 USB.4
copper on no net:
  other v1: 476,1201

## Polygon pours and split planes (outlines as drawn)
GND on Top Layer "NONET_L-01_P-001" (solid, remove dead copper, pour order 9): -9.78,1492.21 1432,1492.2 1432,0 0.84,0
H- on Top Layer "NONET_L-01_P-001" (solid, pour order 3): 2101,187 3124,187 3124,385 2101,385
VIN on Top Layer "NONET_L-01_P-001" (solid, pour order 4): 2939,411 3098.06,411 3098.06,784 2939,784
GND on Top Layer "NONET_L-01_P-001" (solid, remove dead copper, pour order 5): 2199,1102 3057,1102 3140,1019 3140,823 2968,823 2855,710 2855,421 2631,421 2631,576 2534,576 2534,421 2396,421 2396,576 2299,576 2299,421 2161,421 2161,779 2141,799 2141,1044
VIN on Top Layer "NONET_L-01_P-001" (solid, pour order 0): 2233,1240 2283,1240 2315,1208 2315,1139 2660,1139 2660,1290 2283,1290 2233,1290
C-5V on Top Layer "NONET_L-01_P-001" (solid, remove dead copper, pour order 2): 1434,1320 1434,1477 1514,1477 1514,1320
C-5V on Top Layer "NONET_L-01_P-001" (solid, remove dead copper, pour order 1): 2198,1263 2137,1263 2137,1237 2042,1143 2041,1143 1901,1143 1781,1023 1781,943 1989,943 2198,1152
GND on Bottom Layer "NONET_L-01_P-001" (solid, remove dead copper, pour order 10): -10.62,1492.2 1424,1492.2 1424,0 0,0
GND on Bottom Layer "NONET_L-01_P-001" (solid, remove dead copper, pour order 8): 2198.5,1102 3112.5,1102 3170.5,1044 3170.5,823 2967.5,823 2854.5,710 2854.5,421 2630.5,421 2630.5,576 2533.5,576 2533.5,421 2395.5,421 2395.5,576 2298.5,576 2298.5,421 2160.5,421 2160.5,779 2140.5,799 2140.5,1044
VIN on Bottom Layer "NONET_L-01_P-001" (solid, remove dead copper, pour order 7): 2863,1190 2760,1190 2660,1290 2578,1290 2578,1141 2863,1141
H- on Bottom Layer "NONET_L-01_P-001" (solid, pour order 6): 2101,187 3124,187 3124,385 2101,385

## Keep-outs
Keep-Out Layer:
  lines w10: 0,1358 0,118.11 ccw(c118.11,118.11) 118.11,0 3090.55,0 ccw(c3090.55,118.11) 3208.66,118.11 ; 0,1358.27 cw(c118.11,1358.27) 118.11,1476.38 3090.55,1476.38 cw(c3090.55,1358.27) 3208.66,1358.27 ; 3208.66,118 3208.66,1358

## Silkscreen, mask and mechanical layers (free items; w line width, h text height)
Top Overlay:
  text "P3.2" at 1359.05,571.08 h70
  text "GND" at 1078.04,459.33 h60
  text "P1.2" at 1523.31,369.05 h70 r90
  text "P1.1" at 1391.31,274.05 h70 r90
  text "5V" at 1484,208.27 h70
  text "5V" at 1082,156.38 h60
  text "GND" at 1534.78,80.05 h70 r90
  text "GND" at 1633.05,70.22 h70
Bottom Overlay:
  text "GND" at 2961.11,976.93 h100 r90
  text "VIN" at 2960.11,681 h100 r90
  text "GeekStart" at 1904.91,582.51 h133.86
  text "H-" at 2952.94,340.93 h100 r90
  text "温控 v1.0" at 631.91,136.45 h133.86
  text "“极客”开始 QQ群:1135246190" at 1259,60.57 h78.74
Top Solder:
  rectangle: 2161,571 2823,728.48
Bottom Solder:
  rectangle: 2097,212 2776,369.48